# KiCad board q2.kicad_pcb (continued)
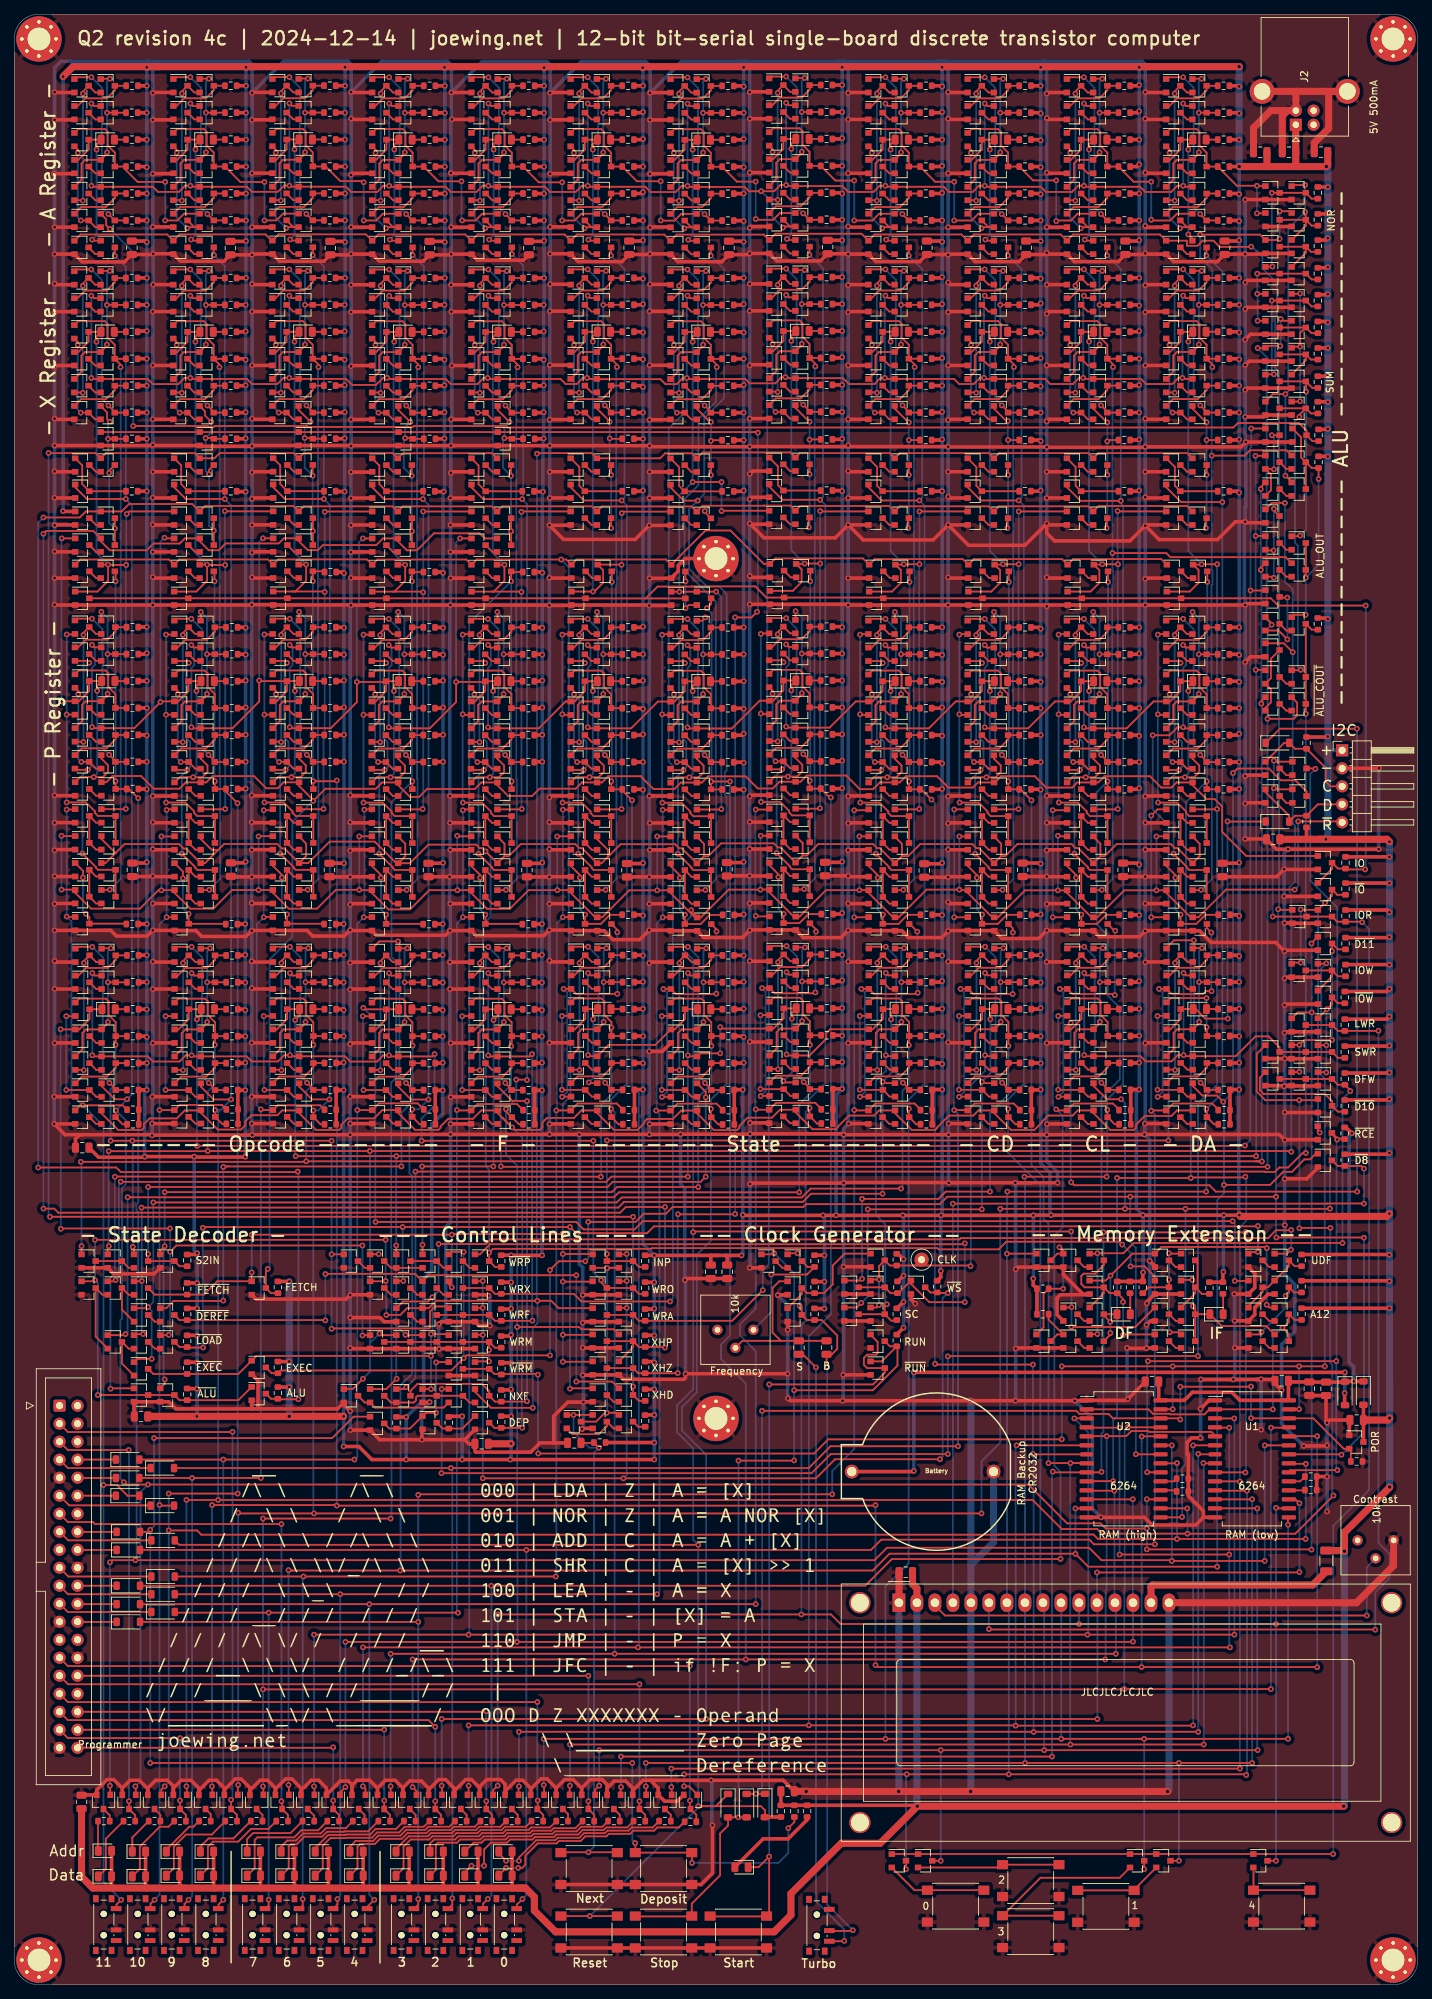
[diagram p0: board, top side]
## Routing (per net, layer and track width the routed paths; a pad name or vN(x,y) marks a point on that pad's centre or on a via; arc(x,y) is an arc through that point)
GND: length 5402.9
  Top w0.5: Q722.2 Q721.2 173.9,236.65 v1(173.65,236.4) ; Q730.2 Q729.2 174.4,232.85 v1(173.65,232.1) ; Q734.2 Q733.2 174.2,229.05 v1(173.65,228.5) ; Q726.2 Q725.2 173.9,225.25 v1(173.65,225) ; Q736.2 Q735.2 176.24,221.19 v1(173.65,221.19) ; Q724.2 Q723.2 173.95,240.45 v1(173.65,240.15) ; Q732.2 Q731.2 176.4,244.15 v1(173.65,244.15) 170.8,244.15 C9.2 169.74,243.09 163.56,243.09 Q559.2 159.65,244.15 v1(159.55,244.25) 159.4,244.1 C8.2 155.74,243.09 149.56,243.09 Q491.2 145.85,244.15 v1(145.65,244.35) 145.4,244.1 C17.2 141.74,243.09 135.56,243.09 Q760.2 131.85,244.15 v1(131.75,244.05) 131.7,244.1 C7.2 ; Q728.2 Q727.2 ; Q720.2 Q719.2 v1(173.65,251.85) ; v1(80.2,89.9) 80.25,89.85 Q672.2 Q673.2 ; v1(80.2,93.4) 80.35,93.55 Q713.2 Q714.2 ; v1(80.2,97.3) 80.25,97.35 Q715.2 Q716.2 ; v1(80.2,86) 81.55,86 Q684.2 Q685.2 85.93,85.42 94.49,85.42 94.7,85.63 v1(94.7,86.2) v1(109.1,86.2) ; Q696.2 Q695.2 Q694.2 Q693.2 Q692.2 47.5,89.75 v1(47.4,89.85) ; Q697.2 Q698.2 ; Q689.2 80.35,82.25 v1(80.3,82.2) 78.09,82.2 76.1,80.21 76.1,76.45 76.2,76.45 ; 22.6,125.3 Q140.2 22.6,125.3 v1(19.5,125.3) ; 36.47,125.31 36.49,125.28 ; 36.49,125.28 36.47,125.31 ; 36.49,125.28 36.48,125.3 v1(33.5,125.3) ; 50.44,167.69 Q249.2 ; 50.45,148.74 Q258.2 51.13,148.06 60.82,148.06 v1(61.48,148.72) 64.27,148.72 ; 50.45,125.29 Q280.2 ; Q280.2 50.45,125.29 ; Q280.2 50.46,125.28 ; Q280.2 50.44,125.3 ; 64.44,167.69 Q319.2 ; 64.45,148.74 Q328.2 65.19,148 74.7,148 v1(75.5,148.8) 78.45,148.8 Q928.2 ; 64.45,125.29 Q350.2 ; Q350.2 64.45,125.29 ; Q350.2 64.46,125.28 ; Q350.2 64.44,125.3 ; Q350.2 61.62,125.27 v1(61.57,125.22) ; 64.27,132.87 v1(61.57,132.87) ; 64.27,140.47 v1(61.47,140.47) ; 64.27,144.27 v1(61.47,144.27) ; 64.27,152.52 v1(61.52,152.52) ; 64.27,156.32 v1(61.42,156.32) 58.44,156.32 C33.2 ; 64.27,160.12 v1(61.52,160.12) ; 64.27,163.92 v1(61.48,163.92) ; 64.27,167.72 v1(61.48,167.72) ; 50.31,209.74 47.54,209.74 v1(47.5,209.7) ; v1(47.52,220.82) 47.53,220.83 50.19,220.83 ; 64.46,244.19 Q284.2 65.35,243.3 71.85,243.3 C5.2 ; v1(47.52,235.98) 47.57,236.03 50.19,236.03 ; v1(47.52,239.82) 47.53,239.83 50.19,239.83 ; v1(47.52,263.28) 47.65,263.15 50.2,263.15 ; 50.31,205.94 47.54,205.94 v1(47.5,205.9) ; 64.48,239.84 Q310.2 ; v1(47.5,213.4) 50.26,213.4 ; 50.2,266.95 47.57,266.95 v1(47.52,267) ; v1(47.5,198.5) 47.56,198.44 50.31,198.44 ; 50.31,194.64 47.54,194.64 v1(47.5,194.6) 47.44,194.66 Q165.2 36.49,194.7 ; 50.19,228.43 47.63,228.43 v1(47.52,228.32) ; 53.91,217.14 47.58,217.14 v1(47.52,217.08) 47.44,217.16 Q157.2 ; 64.44,255.49 Q287.2 64.45,255.6 ; v1(47.52,255.32) 47.75,255.55 50.2,255.55 ; 64.48,236.04 Q314.2 ; v1(47.52,247.98) 47.55,247.95 50.2,247.95 ; 50.2,244.15 47.55,244.15 v1(47.52,244.18) 47.39,244.05 C3.2 43.7,243.15 37.44,243.15 Q144.2 36.38,244.21 ; v1(47.5,202.1) 47.54,202.14 50.31,202.14 ; 64.46,247.99 Q295.2 ; 50.46,213.4 Q234.2 ; 64.44,263.09 Q292.2 64.43,263.08 ; 64.48,228.44 Q309.2 ; 64.29,239.83 v1(61.63,239.83) ; 64.31,205.94 v1(61.54,205.94) ; 64.48,220.84 Q317.2 ; 64.31,209.74 v1(61.54,209.74) ; 64.3,244.15 v1(61.65,244.15) 61.55,244.05 C4.2 57.7,243.15 51.5,243.15 Q214.2 50.46,244.19 ; 64.47,194.68 Q305.2 75.46,194.64 v1(75.5,194.6) 78.55,194.6 Q946.2 89.51,194.65 v1(89.58,194.58) 92.63,194.58 Q878.2 ; 64.3,255.55 61.85,255.55 ; 64.29,236.03 v1(61.67,236.03) ; 64.31,202.14 v1(61.54,202.14) ; 64.3,263.15 v1(61.75,263.15) ; 64.29,220.83 v1(61.63,220.83) ; 64.31,198.44 v1(61.56,198.44) ; 64.3,247.95 v1(61.65,247.95) ; 64.3,266.95 v1(61.67,266.95) ; 64.29,228.43 v1(61.73,228.43) ; 64.31,194.64 v1(61.54,194.64) Q235.2 50.47,194.68 ; 50.43,263.08 Q222.2 50.44,263.09 ; 50.48,220.84 Q247.2 ; 50.48,228.44 Q239.2 ; 50.48,236.04 Q244.2 ; 50.48,239.84 Q240.2 ; 50.46,247.99 Q225.2 ; 50.44,255.49 Q217.2 ; 36.37,263.11 Q152.2 36.36,263.1 ; 36.38,248.01 Q155.2 ; 36.37,255.51 Q147.2 ; 36.4,239.86 Q170.2 ; 36.4,228.46 Q169.2 ; 36.4,236.06 Q174.2 ; 36.4,220.86 Q177.2 ; 78.44,263.09 Q914.2 ; Q914.2 78.43,263.08 ; Q914.2 78.45,263.1 v1(75.6,263.1) ; 78.44,255.49 Q909.2 78.45,255.5 v1(75.6,255.5) ; 78.46,247.99 Q917.2 78.45,248 v1(75.6,248) ; 78.46,244.19 Q906.2 ; Q906.2 79.56,243.09 85.74,243.09 C23.2 89.6,244.1 v1(89.68,244.18) 92.53,244.18 Q838.2 ; Q906.2 78.45,244.2 v1(75.6,244.2) ; 78.49,239.86 Q951.2 78.45,239.9 v1(75.6,239.9) ; 78.49,236.06 Q955.2 78.45,236.1 v1(75.55,236.1) ; 78.49,228.46 Q950.2 78.45,228.5 v1(75.55,228.5) ; 78.51,148.74 Q928.2 ; Q928.2 82.23,148.72 Q904.2 83.2,148.7 84.45,147.45 88.25,147.45 v1(89.58,148.78) 92.53,148.78 Q860.2 ; 92.52,263.07 Q846.2 ; Q846.2 92.51,263.06 ; Q846.2 92.53,263.08 v1(89.68,263.08) ; 92.52,255.47 Q841.2 92.53,255.48 89.68,255.48 v1(89.68,255.48) ; 92.54,247.97 Q849.2 92.53,247.98 89.68,247.98 ; 92.54,244.17 Q838.2 ; Q838.2 93.64,243.07 99.82,243.07 C22.2 103.58,244.08 v1(103.75,244.25) Q355.2 107.56,243.19 113.74,243.19 C6.2 ; Q842.2 89.73,266.93 89.73,266.93 v1(89.7,266.9) ; 92.57,239.84 Q883.2 92.53,239.88 v1(89.68,239.88) ; 92.57,236.04 Q887.2 92.53,236.08 v1(89.63,236.08) ; 92.57,228.44 Q882.2 92.53,228.48 v1(89.63,228.48) ; Q890.2 92.53,220.78 v1(89.63,220.78) ; Q877.2 v1(89.63,213.43) ; Q876.2 92.53,205.88 v1(89.58,205.88) 87.6,203.9 77.5,203.9 v1(75.5,205.9) 78.45,205.9 Q944.2 ; Q879.2 v1(89.63,209.73) ; Q875.2 v1(89.63,198.43) ; Q875.2 93.16,198.91 ; Q875.2 93.67,199.42 93.67,200.22 94.65,201.2 H6.1 ; 92.59,148.72 Q860.2 ; Q860.2 96.31,148.7 Q836.2 97.26,147.75 102.75,147.75 v1(103.75,148.75) 103.82,148.82 Q377.2 ; Q856.2 89.6,152.5 ; Q857.2 v1(89.6,156.3) 86.46,156.3 C41.2 ; Q858.2 v1(89.66,160.1) ; Q859.2 v1(89.66,163.9) ; v1(89.63,121.43) Q835.2 ; 106.51,148.84 Q377.2 ; Q377.2 106.45,148.9 ; Q377.2 110.23,148.82 Q353.2 111.33,147.72 116.62,147.72 v1(117.65,148.75) 117.68,148.72 Q445.2 ; C6.2 117.6,244.2 v1(117.65,244.15) Q423.2 121.56,243.09 127.74,243.09 C7.2 ; C6.2 114.8,244.15 ; 120.51,148.74 Q445.2 ; Q445.2 120.45,148.8 ; Q445.2 124.23,148.72 Q421.2 125.2,148.7 126.18,147.72 130.82,147.72 v1(131.75,148.65) 131.82,148.72 Q782.2 ; C7.2 128.8,244.05 ; 134.51,148.74 Q782.2 ; Q782.2 134.45,148.8 ; Q782.2 138.23,148.72 Q758.2 139.35,147.6 144.5,147.6 v1(145.65,148.75) 145.68,148.72 Q513.2 ; 148.49,228.46 Q535.2 v1(145.65,228.45) ; 148.49,220.86 Q543.2 145.95,220.85 v1(145.65,220.55) ; 148.51,148.74 Q513.2 ; Q513.2 148.45,148.8 ; Q513.2 152.23,148.72 Q489.2 153.1,147.85 158.75,147.85 v1(159.55,148.65) 159.62,148.72 Q581.2 ; 162.49,239.86 Q604.2 ; Q604.2 162.45,239.9 ; Q604.2 159.65,239.85 v1(159.55,239.75) ; 162.49,236.06 Q608.2 ; Q608.2 162.45,236.1 ; Q608.2 159.65,236.05 v1(159.55,235.95) ; 162.49,228.46 Q603.2 ; Q603.2 162.45,228.5 ; Q603.2 v1(159.55,228.45) ; 162.49,220.86 Q611.2 159.65,220.85 v1(159.55,220.95) ; 162.51,148.74 Q581.2 ; Q581.2 162.45,148.8 ; Q581.2 166.23,148.72 Q557.2 167.2,148.7 168.85,147.05 177.95,147.05 v1(179.2,145.8) 179.35,145.95 Q641.2 ; Q78.2 19.61,266.96 v1(19.55,266.9) ; Q644.2 176.51,130.66 v1(179.22,130.66) 180.19,130.66 Q645.2 Q646.2 ; Q100.2 22.43,239.85 v1(19.6,239.85) ; v1(185.2,79.3) 185.57,79.67 C15.1 188.32,79.57 U3.1 ; v1(185.2,79.3) 185.05,79.45 C44.1 182.71,83.13 C14.1 ; v1(185.2,79.3) 185.15,79.35 ; v1(145.68,121.42) 145.7,121.45 Q488.2 ; v1(89.58,144.12) 89.74,144.28 Q894.2 ; 89.75,28.85 v1(98.3,28.85) 108.5,28.85 C21.1 ; 89.75,28.85 90.85,27.75 Q981.2 91.75,25.9 93.55,25.9 Q993.2 ; 89.75,28.85 88.69,28.85 87.25,27.41 Q992.2 87.25,27.75 86.25,28.75 84.65,28.75 83.65,27.75 Q980.2 83.65,28.23 82.93,28.95 81.25,28.95 80.05,27.75 ; 50.27,132.87 47.57,132.87 v1(47.4,132.7) ; v1(5.7,240) 5.86,239.84 Q30.2 ; Q179.2 33.56,167.74 v1(33.5,167.8) ; 179.16,126.84 179.17,126.85 Q651.2 ; v1(173.65,161.65) 176.6,161.65 C29.1 178.05,160.2 v1(179.7,160.2) 192.47,160.2 v1(192.48,160.2) ; v1(5.7,228.3) 5.84,228.44 Q29.2 ; v1(173.65,170.5) 173.8,170.65 Q833.2 ; Q114.2 19.57,152.53 v1(19.55,152.55) ; Q394.2 104.15,213.55 v1(103.75,213.15) ; v1(159.55,267) 159.6,266.95 Q563.2 ; v1(127.1,96.1) 126.5,96.7 Q674.2 ; v1(181.9,76.02) 185.12,76.02 v1(185.2,76.1) ; Q532.2 v1(145.65,209.75) ; Q627.2 120.85,101.25 120.8,101.3 v1(117,101.3) ; v1(192.52,171.62) 187.34,171.62 J3.2 ; Q705.2 52.19,93.55 51.62,94.12 v1(47.4,94.12) ; Q461.2 v1(117.65,205.95) ; v1(117.65,205.95) 115.83,204.12 105.77,204.12 v1(103.75,206.15) 103.85,206.05 Q393.2 ; v1(117.65,205.95) 119.77,203.82 129.62,203.82 v1(131.75,205.95) ; 51.25,27.75 50.15,28.85 48.35,28.85 47.65,28.15 Q978.2 47.65,28.23 47.13,28.75 46,28.75 Q986.2 44.05,27.75 42.95,28.85 41.89,28.85 40.45,27.41 Q977.2 40.45,27.75 39.15,29.05 38.29,29.05 36.85,27.61 Q985.2 36.85,27.75 35.75,28.85 34.69,28.85 33.25,27.41 Q973.2 33.25,27.81 32.01,29.05 31.19,29.05 29.65,27.51 Q984.2 29.65,27.75 28.55,28.85 27.49,28.85 26.05,27.41 Q972.2 26.05,27.75 24.95,28.85 23.55,28.85 22.45,27.75 Q983.2 22.45,28.03 21.63,28.85 19.95,28.85 18.85,27.75 Q971.2 18.85,27.65 17.65,28.85 16.35,28.85 15.25,27.75 ; 51.25,27.75 52.35,28.85 53.75,28.85 54.85,27.75 Q974.2 54.85,27.81 55.79,28.75 57.45,28.75 58.45,27.75 Q988.2 58.45,27.51 59.89,28.95 60.85,28.95 62.05,27.75 Q975.2 62.05,27.31 63.69,28.95 64.51,28.95 65.65,27.81 Q989.2 65.65,27.95 66.65,28.95 68.61,28.95 69.25,28.31 Q976.2 69.25,27.31 70.79,28.85 71.75,28.85 72.85,27.75 Q990.2 72.85,27.61 74.29,29.05 75.15,29.05 76.45,27.75 ; 51.25,27.75 Q987.2 ; v1(172.18,89.87) 172.2,89.85 Q1009.2 ; v1(117.65,160.05) 117.72,160.12 Q443.2 ; 62.16,217.14 61.68,217.14 ; 62.16,217.14 Q227.2 ; 62.16,217.14 68.01,217.14 ; v1(5.7,205.9) 5.75,205.95 Q23.2 ; v1(179.16,126.75) 179.26,126.85 Q651.2 ; v1(33.55,247.95) 33.57,247.97 36.32,247.97 ; v1(5.7,217.15) Q17.2 19.45,217.15 v1(19.55,217.25) 19.65,217.15 Q87.2 26.26,217.05 v1(33.55,217.05) 33.66,217.16 40.03,217.16 ; v1(167.35,81.25) 168.56,82.45 169.39,82.45 ; Q420.2 120.45,121.5 v1(117.7,121.5) ; Q207.2 33.61,140.48 v1(33.5,140.6) ; 36.31,239.85 33.65,239.85 v1(33.55,239.95) ; Q22.2 5.75,202.15 v1(5.7,202.2) ; C24.1 C26.1 94.82,99.64 v1(94.6,99.42) ; Q373.2 103.82,152.62 v1(103.75,152.55) ; Q479.2 117.7,144.3 v1(117.65,144.35) ; v1(75.5,167.5) 75.72,167.72 Q919.2 ; v1(19.55,255.5) 22.4,255.5 Q77.2 ; v1(66.9,97.22) 66.77,97.35 Q691.2 ; v1(159.55,156.34) 159.57,156.32 Q578.2 ; 15.25,27.75 14.05,28.95 13.09,28.95 11.65,27.51 Q970.2 9.55,26.8 C18.1 ; 15.25,27.75 Q982.2 ; Q671.2 19.75,100.3 14.05,100.3 Q670.2 Q669.2 ; Q472.2 117.75,236.05 v1(117.65,235.95) ; v1(19.55,248) 22.41,248 Q85.2 ; Q637.2 179.18,157.35 v1(179.15,157.37) 178.1,156.32 C38.2 ; Q757.2 134.45,121.5 v1(131.8,121.5) ; v1(47.4,140.4) 47.47,140.47 50.27,140.47 ; 36.32,244.17 33.67,244.17 v1(33.55,244.05) C2.2 29.6,243.15 23.46,243.15 Q74.2 22.41,244.2 v1(19.6,244.2) 19.5,244.1 C1.2 15.55,243.05 9.6,243.05 Q4.2 v1(5.7,244.15) ; 34.44,81.25 34.4,81.29 34.4,85.25 Q664.2 ; 34.44,81.25 45.6,81.25 Q686.2 46.5,81.82 v1(47.4,80.92) ; 34.44,81.25 33.52,81.25 ; 80.05,27.75 78.85,28.95 77.65,28.95 76.45,27.75 ; 80.05,27.75 Q991.2 ; Q763.2 v1(131.75,255.55) ; 143.45,113.15 132.98,113.15 ; 143.45,113.15 v1(147.18,113.15) ; 143.45,113.15 141.77,113.15 ; 132.98,113.15 131.85,113.15 v1(131.82,113.12) ; 132.98,113.15 132.95,113.18 117.08,113.18 v1(117,113.1) 103.92,113.1 v1(103.8,112.97) ; 76.2,76.45 74.17,76.45 72.86,75.14 65.13,75.14 64.99,75.28 C43.2 64.13,76.32 63.55,76.9 ; 76.2,76.45 C16.1 ; v1(33.5,160.1) 33.54,160.14 Q186.2 ; v1(159.55,263.25) 159.65,263.15 Q567.2 ; Q8.2 5.75,266.95 v1(5.7,267) ; Q1016.2 147.1,94.55 147.1,96.88 147.57,97.35 151.6,97.35 Q1012.2 150.75,97.45 148,100.2 Q1015.2 Q1017.2 141.6,101.25 v1(141.27,100.92) ; v1(159.55,205.85) 161.52,203.87 169.74,203.87 172.27,206.4 v1(173.65,206.4) 173.8,206.25 Q755.2 ; v1(159.55,205.85) 157.4,203.7 146.75,203.7 145.65,204.8 v1(145.65,206.15) ; v1(159.55,205.85) 159.65,205.95 Q597.2 ; Q815.2 131.8,132.9 v1(131.75,132.95) ; v1(33.5,132.9) 33.52,132.88 Q202.2 ; v1(109.15,82.72) 109.48,82.4 v1(116.85,82.4) v1(134.9,82.4) v1(141.25,82.4) v1(149.6,82.4) 151.37,82.4 151.42,82.45 156.9,82.45 v1(157.06,82.61) C12.1 ; Q375.2 103.78,160.22 v1(103.75,160.25) ; v1(131.75,240.15) 132.05,239.85 Q805.2 ; Q495.2 145.8,266.95 v1(145.65,266.8) ; Q187.2 33.56,163.94 v1(33.5,164) ; 50.27,160.12 47.52,160.12 v1(47.4,160) ; Q797.2 131.85,198.45 v1(131.75,198.55) ; v1(175.89,85.42) 175.87,85.4 175.22,85.4 ; Q945.2 75.55,213.45 v1(75.55,213.45) ; v1(179.22,119.19) 178.45,119.96 v1(159.44,119.96) 159.41,119.93 v1(145.66,119.93) 145.65,119.92 v1(131.8,119.92) 131.79,119.93 v1(117,119.93) 116.88,120.05 v1(103.8,120.05) 103.74,119.99 v1(94,119.99) 93.97,119.96 v1(89.6,119.96) 89.59,119.97 v1(79.72,119.97) 79.72,119.97 v1(75.51,119.97) v1(61.55,119.97) 47.45,119.97 v1(47.4,119.92) 47.39,119.93 33.66,119.93 v1(33.6,119.87) 19.5,119.87 v1(19.45,119.82) 19.34,119.93 9.68,119.93 ; v1(179.22,119.19) 179.25,119.22 ; v1(179.22,119.19) 179.25,119.23 Q636.2 ; 177.83,97.42 176.88,97.42 175,95.55 175,94.55 Q1000.2 174.07,93.67 v1(172.15,93.67) ; v1(19.55,220.85) 22.43,220.85 Q107.2 ; v1(159.55,248.15) 159.75,247.95 Q570.2 ; Q623.2 v1(109.1,92.4) ; v1(5.7,209.8) 5.75,209.75 Q26.2 ; Q752.2 173.85,194.85 v1(173.65,194.65) Q599.2 v1(159.55,194.65) Q531.2 145.85,194.65 v1(145.65,194.45) 145.45,194.65 Q800.2 v1(131.75,194.65) Q463.2 v1(117.65,194.65) 117.55,194.75 Q395.2 v1(103.75,194.75) ; Q651.2 180.25,126.8 183.9,126.8 Q652.2 ; Q651.2 179.55,126.85 ; Q651.2 Q650.2 ; 50.27,148.72 47.48,148.72 v1(47.4,148.8) 46.55,147.95 42.1,147.95 41.31,148.74 Q188.2 33.54,148.74 v1(33.5,148.7) 32.7,147.9 26.45,147.9 25.62,148.73 Q118.2 22.6,148.75 v1(19.55,148.75) 18.75,147.95 14.42,147.95 13.62,148.75 Q48.2 v1(5.7,148.75) ; Q15.2 v1(5.7,247.95) ; 169.39,65.94 167.75,65.94 ; 167.75,65.94 167.75,66.85 165.62,68.97 R283.1 R285.1 165.62,74.77 165.45,74.95 165.45,76.51 166.09,77.15 v1(167.35,77.15) ; 167.75,65.94 166.66,64.86 160.51,64.86 159.42,65.95 v1(153.3,65.95) 153.3,65.94 151.42,65.94 ; v1(141.27,89.75) 141.38,89.85 Q1018.2 Q1014.2 ; Q399.2 103.85,228.55 v1(103.75,228.45) ; v1(145.65,255.65) 145.75,255.55 Q494.2 ; Q632.2 Q631.2 ; Q598.2 v1(159.55,213.45) ; Q927.2 75.58,163.92 v1(75.5,164) ; Q1001.2 Q1003.2 159.77,96.32 v1(159.77,96.12) ; Q359.2 103.8,267.05 v1(103.75,267) ; Q460.2 v1(117.65,198.45) ; RV3.3 194.7,62.7 ; v1(145.65,206.15) 145.85,205.95 Q529.2 ; v1(145.65,206.15) 142.57,203.07 134.62,203.07 v1(131.75,205.95) ; Q630.2 Q629.2 ; Q687.2 80.2,78.5 v1(80.1,78.4) ; v1(5.7,140.5) 5.72,140.48 Q67.2 ; v1(159.55,152.55) 159.58,152.52 Q577.2 ; v1(57.5,76.9) 63.55,76.9 ; v1(57.5,76.9) 57.5,78.25 Q707.2 ; v1(57.5,76.9) 51.55,76.9 Q706.2 v1(47.42,78.25) ; 63.55,76.9 Q708.2 ; 50.27,156.32 47.42,156.32 v1(47.4,156.3) 44.49,156.3 C32.2 ; Q504.2 145.68,167.72 v1(145.65,167.75) ; Q104.2 22.43,236.05 v1(19.55,236.05) ; v1(33.55,220.95) 33.65,220.85 36.31,220.85 ; v1(5.7,194.7) 5.75,194.65 Q25.2 v1(19.55,194.65) Q95.2 33.45,194.65 v1(33.5,194.7) 36.39,194.7 ; Q376.2 103.78,164.02 v1(103.75,164.05) ; v1(19.55,140.45) 19.58,140.47 Q137.2 ; v1(131.75,220.75) 131.85,220.85 Q812.2 ; Q540.2 145.95,236.05 v1(145.65,235.75) ; Q109.2 22.59,167.7 v1(19.55,167.7) ; v1(131.75,205.95) Q798.2 ; Q184.2 33.56,152.54 v1(33.5,152.6) ; v1(117.65,167.65) 117.72,167.72 Q436.2 ; v1(5.7,263.1) 8.45,263.1 Q12.2 ; v1(47.4,144.2) 47.47,144.27 50.27,144.27 ; Q580.2 159.58,163.92 v1(159.55,163.95) ; 175.22,85.4 v1(171.97,85.4) v1(167.4,85.4) ; 175.22,85.4 177.65,85.4 C13.1 177.85,84.8 v1(178.77,83.87) ; 90.1,167.7 89.8,167.7 ; 90.1,167.7 89.6,167.7 v1(89.6,167.7) ; 90.1,167.7 Q851.2 ; 108.05,97.35 Q624.2 107.75,97.35 v1(107.7,97.3) ; Q511.2 145.72,160.12 v1(145.65,160.05) ; 36.43,202.16 33.66,202.16 v1(33.55,202.05) ; Q633.2 120.8,89.95 ; v1(47.4,152.4) 47.52,152.52 50.27,152.52 ; Q21.2 v1(5.7,198.45) ; Q82.2 22.4,263.1 v1(19.55,263.1) ; Q400.2 v1(103.75,239.95) ; v1(59.9,93.2) 60.25,93.55 Q702.2 Q703.2 65.55,93 v1(67.1,93) ; 50.27,167.72 47.48,167.72 v1(47.4,167.8) ; Q392.2 103.95,198.55 v1(103.75,198.75) ; v1(75.5,152.5) 75.52,152.52 Q924.2 ; v1(117.65,163.85) 117.72,163.92 Q444.2 ; C42.2 16.9,80.23 Q667.2 Q666.2 21.82,82.25 22.82,81.25 33.52,81.25 ; C31.2 30.65,156.3 v1(33.5,156.3) 33.54,156.34 Q185.2 ; v1(61.55,121.45) Q282.2 ; v1(131.75,267) 131.8,266.95 Q764.2 ; Q816.2 131.8,144.3 v1(131.75,144.35) ; Q768.2 131.85,263.15 v1(131.75,263.25) ; Q947.2 75.55,209.75 v1(75.55,209.75) ; 36.43,209.76 33.66,209.76 v1(33.55,209.65) ; Q133.2 19.62,144.27 v1(19.55,144.35) ; Q1005.2 160.9,101.4 v1(160.17,102.13) ; Q779.2 131.82,156.32 v1(131.75,156.25) C36.2 ; Q640.2 Q639.2 179.35,134.45 v1(179.2,134.3) ; Q352.2 106.45,121.6 v1(103.8,121.6) ; v1(159.55,255.65) 159.65,255.55 Q562.2 ; SW19.2 SW19.2 SW20.2 SW20.2 SW21.2 SW21.2 ; v1(131.75,163.85) 131.82,163.92 Q781.2 ; v1(145.65,163.95) 145.68,163.92 Q512.2 ; Q462.2 117.75,213.45 v1(117.65,213.55) ; v1(145.65,132.85) 145.7,132.9 Q546.2 ; 9.68,119.93 9.23,119.93 8.65,119.35 C20.1 ; 9.68,119.93 7.17,119.93 v1(5.65,121.45) Q2.2 ; v1(145.65,263.35) 145.85,263.15 Q499.2 ; v1(5.7,156.4) 5.75,156.35 Q45.2 ; Q478.2 117.7,132.9 v1(117.65,132.85) ; Q596.2 159.65,198.45 v1(159.55,198.35) ; v1(47.4,164) 47.48,163.92 50.27,163.92 ; Q34.2 5.84,236.04 v1(5.7,235.9) ; Q366.2 103.95,248.05 v1(103.75,247.85) ; v1(145.65,152.45) 145.72,152.52 Q509.2 ; v1(19.55,206) 19.6,205.95 Q93.2 ; v1(75.51,121.43) 75.53,121.45 Q903.2 ; v1(58.6,82.2) 58.55,82.15 Q679.2 ; v1(61.58,213.28) 61.74,213.44 Q304.2 ; C39.2 v1(145.65,156.35) 145.68,156.32 Q510.2 ; Q799.2 v1(131.75,213.45) ; Q648.2 Q647.2 179.35,142.15 v1(179.2,142) ; v1(89.58,131.68) 91.43,131.68 Q893.2 ; v1(145.65,198.55) 145.75,198.45 Q528.2 ; v1(5.7,220.95) 5.81,220.84 Q37.2 ; Q962.2 75.7,144.3 v1(75.5,144.5) ; v1(103.75,133.05) 103.8,133 Q410.2 ; 36.31,236.05 33.55,236.05 v1(33.55,236.05) ; Q39.2 5.75,167.75 v1(5.7,167.8) ; v1(19.55,213.45) Q94.2 ; Q656.2 34.13,96.72 46.82,96.72 v1(47.4,97.3) 47.45,97.35 Q704.2 ; Q926.2 75.58,160.12 v1(75.5,160.2) ; Q614.2 159.6,132.9 v1(159.55,132.85) ; Q91.2 19.7,198.45 v1(19.55,198.6) ; Q638.2 v1(179.15,153.55) ; Q979.2 76.45,27.75 ; Q999.2 175,100.35 175,98.35 Q995.2 v1(172.12,97.45) ; v1(33.5,121.5) Q142.2 ; v1(47.4,125.3) 50.24,125.3 ; v1(131.75,160.15) 131.78,160.12 Q780.2 ; Q572.2 159.62,167.72 v1(159.55,167.65) ; v1(5.65,125.3) 8.6,125.3 Q70.2 ; Q502.2 v1(145.65,247.95) ; v1(19.55,160.2) 19.62,160.13 Q116.2 ; Q771.2 v1(131.75,247.95) ; v1(179.2,149.8) 180.25,149.8 Q643.2 Q642.2 ; Q556.2 162.45,121.5 v1(159.5,121.5) ; Q63.2 5.87,144.28 v1(5.7,144.45) ; v1(19.55,228.45) 22.43,228.45 Q99.2 ; v1(33.55,228.45) 33.55,228.45 36.31,228.45 ; v1(75.6,266.9) 75.65,266.95 Q910.2 ; Q475.2 v1(117.65,220.85) ; v1(159.73,93.1) 160.27,93.65 Q1006.2 ; Q115.2 19.62,156.33 v1(19.55,156.4) 19.5,156.35 C30.2 ; v1(173.65,166.65) 173.75,166.75 Q831.2 ; v1(47.4,121.5) Q212.2 ; v1(33.55,263.1) 36.26,263.1 ; Q396.2 104.05,209.85 v1(103.75,209.55) ; v1(5.7,132.85) 5.73,132.88 Q62.2 ; Q7.2 8.45,255.5 v1(5.6,255.5) ; Q773.2 131.82,167.72 v1(131.75,167.65) ; Q431.2 v1(117.65,263.15) ; Q132.2 19.58,132.87 v1(19.55,132.85) ; 36.43,213.46 33.66,213.46 v1(33.55,213.35) ; Q368.2 103.92,167.82 v1(103.75,167.65) ; v1(33.55,198.55) 33.64,198.46 36.43,198.46 ; 36.32,255.57 33.57,255.57 v1(33.55,255.55) ; Q1004.2 159.77,89.85 v1(159.73,89.8) 157.02,89.8 v1(156.98,89.85) ; C34.2 v1(75.5,156.3) 75.52,156.32 Q925.2 ; Q668.2 33.5,81.27 33.52,81.25 ; Q434.2 117.75,247.95 v1(117.65,248.05) ; Q824.2 183.99,115.36 182.34,113.71 v1(179.22,113.71) ; Q801.2 131.95,209.75 v1(131.75,209.95) ; 36.49,144.28 33.61,144.28 v1(33.5,144.4) ; v1(33.55,205.95) 33.56,205.96 36.43,205.96 ; Q96.2 19.6,209.75 v1(19.55,209.8) ; v1(75.55,220.8) 78.45,220.8 Q958.2 ; Q24.2 5.75,213.45 v1(5.7,213.5) ; Q579.2 159.58,160.12 v1(159.55,160.15) ; v1(103.75,144.45) 103.8,144.4 Q411.2 ; Q426.2 v1(117.65,255.55) ; SW22.2 SW22.2 SW23.2 SW23.2 96.87,14.15 98.5,15.77 v1(98.5,22.5) ; R282.1 R284.1 v1(185.2,71.7) ; Q653.2 179.25,123.05 v1(179.22,123.08) ; Q778.2 131.98,152.52 v1(131.75,152.75) ; Q615.2 159.6,144.3 v1(159.55,144.25) ; v1(75.5,132.9) Q961.2 ; Q44.2 5.75,152.55 v1(5.7,152.5) ; C37.2 159.34,156.34 ; Q467.2 v1(117.65,228.45) ; Q363.2 v1(103.75,263.25) ; Q117.2 19.62,163.93 v1(19.55,164) ; v1(173.65,186.6) 174.4,187.35 Q753.2 ; 120.65,86.2 Q634.2 v1(116.95,86.05) ; 169.49,82.42 169.52,82.45 ; Q92.2 v1(19.55,202.15) ; C40.2 100.57,156.45 v1(103.75,156.45) 103.78,156.42 Q374.2 ; Q744.2 Q754.2 173.74,217.65 v1(173.73,217.64) 173.05,216.96 v1(159.55,216.96) 159.48,216.89 145.69,216.89 v1(145.65,216.93) 145.63,216.95 131.79,216.95 v1(131.75,216.99) 117.83,216.99 v1(117.65,217.17) 117.48,217 v1(103.75,217) 103.72,216.97 89.77,216.97 v1(89.63,217.11) 89.6,217.14 v1(75.55,217.14) 75.54,217.14 Q297.2 ; Q628.2 v1(103.75,101.15) ; v1(159.55,209.85) 159.65,209.75 Q600.2 ; Q441.2 117.68,152.52 v1(117.65,152.55) ; Q46.2 5.8,160.15 v1(5.7,160.05) ; Q404.2 v1(103.75,236.15) ; v1(131.75,235.95) 131.85,236.05 Q809.2 ; Q47.2 v1(5.7,163.95) ; v1(75.5,198.5) 75.55,198.45 Q943.2 ; v1(33.55,266.9) 33.62,266.97 36.32,266.97 ; Q804.2 v1(131.75,228.45) ; v1(117.65,266.9) 117.7,266.95 Q427.2 ; Q468.2 117.75,239.85 v1(117.65,239.75) ; Q530.2 v1(145.65,213.45) ; Q547.2 v1(145.65,144.3) ; Q407.2 v1(103.75,220.95) ; Q649.2 179.35,138.35 v1(179.2,138.2) ; v1(19.45,121.5) Q72.2 ; Q358.2 v1(103.75,255.65) ; Q536.2 v1(145.65,239.85) ; Q442.2 117.78,156.32 v1(117.65,156.45) C35.2 ; Q464.2 v1(117.65,209.75)
  Top w1: C21.1 111.7,27.3 v2(111.73,27.27) v2(124.77,27.27) 134.38,27.27 ; 185.14,267.11 185.42,266.83 185.42,261.88 183.39,259.85 C27.1 ; 185.14,267.11 J2.5 ; 185.14,267.11 180.96,267.11 ; 134.38,27.27 v2(162.7,27.27) ; 134.38,27.27 v2(134.93,27.27) 134.95,27.27 ; DS1.1 124.82,53.92 C28.2 ; J2.4 179.6,264.4 178.88,263.68 C25.2 ; J2.4 177.25,264.4 174.82,261.97 C19.1 ; J2.4 180.8,266.94 180.96,267.11 ; RV3.3 194.58,59.13 189.35,53.9 DS1.16 ; 180.96,267.11 J2.5
  Bottom w0.25: v1(103.8,121.6) 103.75,121.65 ; 89.58,171.28 89.6,171.3
  Bottom w0.5: v1(47.52,267) v1(47.52,263.28) v1(47.52,255.32) v1(47.52,247.98) v1(47.52,244.18) v1(47.52,239.82) v1(47.52,235.98) v1(47.52,228.32) v1(47.52,220.82) v1(47.52,217.08) 47.52,213.42 v1(47.5,213.4) v1(47.5,209.7) v1(47.5,205.9) v1(47.5,202.1) v1(47.5,198.5) v1(47.5,194.6) ; v1(47.52,267) 47.52,270.92 47.08,271.36 38.01,271.36 v1(33.55,266.9) ; v1(47.52,267) 51.87,271.35 61.11,271.35 61.67,270.79 v1(61.67,266.95) ; v1(61.67,266.95) 61.67,263.23 v1(61.75,263.15) 61.6,263 v1(61.6,255.6) 61.65,255.55 v1(61.65,247.95) v1(61.65,244.15) 61.65,239.85 v1(61.63,239.83) 61.63,236.07 v1(61.67,236.03) 61.67,228.49 v1(61.73,228.43) 61.73,220.93 v1(61.63,220.83) 61.63,217.17 v1(61.6,217.14) ; v1(61.67,266.95) 66.02,271.3 75.15,271.3 75.6,270.86 v1(75.6,266.9) ; 61.63,217.19 61.68,217.14 ; v1(61.54,194.64) 61.56,194.66 v1(61.56,198.44) 61.54,198.46 v1(61.54,202.14) v1(61.54,205.94) v1(61.54,209.74) 61.58,209.78 v1(61.58,213.28) 61.58,217.14 ; 116.35,271.35 117.21,271.35 117.65,270.91 v1(117.65,266.9) v1(117.65,263.15) v1(117.65,255.55) v1(117.65,248.05) v1(117.65,244.15) v1(117.65,239.75) v1(117.65,235.95) v1(117.65,228.45) v1(117.65,220.85) v1(117.65,217.17) v1(117.65,213.55) v1(117.65,209.75) v1(117.65,205.95) v1(117.65,198.45) v1(117.65,194.65) v1(117.65,167.65) v1(117.65,163.85) v1(117.65,160.05) v1(117.65,156.45) v1(117.65,152.55) v1(117.65,148.75) v1(117.65,144.35) v1(117.65,132.85) 117.65,121.55 v1(117.7,121.5) 117,120.8 v1(117,119.93) v1(117,113.1) v1(117,101.3) 117,86.1 v1(116.95,86.05) 116.95,82.5 v1(116.85,82.4) ; 116.35,271.35 102.15,271.35 ; 116.35,271.35 130.15,271.35 ; 18.79,271.35 6.59,271.35 5.7,270.46 v1(5.7,267) v1(5.7,263.1) 5.7,256.05 ; 18.79,271.35 19.11,271.35 19.55,270.91 v1(19.55,266.9) v1(19.55,263.1) v1(19.55,255.5) v1(19.55,248) 19.55,244.25 v1(19.6,244.2) v1(19.6,239.85) 19.6,236.1 v1(19.55,236.05) v1(19.55,228.45) v1(19.55,220.85) v1(19.55,217.25) v1(19.55,213.45) v1(19.55,209.8) v1(19.55,206) v1(19.55,202.15) v1(19.55,198.6) v1(19.55,194.65) v1(19.55,167.7) v1(19.55,164) v1(19.55,160.2) v1(19.55,156.4) v1(19.55,152.55) v1(19.55,148.75) v1(19.55,144.35) v1(19.55,140.45) v1(19.55,132.85) 19.55,125.35 v1(19.5,125.3) 19.5,121.55 v1(19.45,121.5) v1(19.45,119.82) ; 18.79,271.35 33.11,271.35 33.55,270.91 v1(33.55,266.9) ; 89.6,152.6 89.6,152.5 v1(89.6,152.5) ; 89.6,152.6 89.6,148.8 v1(89.58,148.78) 89.58,145.22 ; 89.6,152.6 v1(89.6,156.3) 89.66,156.36 v1(89.66,160.1) v1(89.66,163.9) 89.6,163.96 v1(89.6,167.7) 89.58,167.72 v1(89.58,194.58) 89.63,194.63 v1(89.63,198.43) 89.58,198.48 v1(89.58,205.88) 89.63,205.93 v1(89.63,209.73) v1(89.63,213.43) 89.63,213.43 v1(89.63,217.11) v1(89.63,220.78) v1(89.63,228.48) v1(89.63,236.08) 89.68,236.13 v1(89.68,239.88) v1(89.68,244.18) 89.68,244.18 89.68,247.98 ; v1(89.7,266.9) 94.15,271.35 102.15,271.35 ; v1(89.7,266.9) 89.7,270.67 89.06,271.3 80,271.3 v1(75.6,266.9) ; v1(89.7,266.9) 89.7,263.1 v1(89.68,263.08) v1(89.68,255.48) 89.68,247.98 ; v1(75.51,119.97) v1(75.51,121.43) 75.51,122.09 75.5,122.1 v1(75.5,132.9) v1(75.5,144.5) v1(75.5,148.8) v1(75.5,152.5) v1(75.5,156.3) v1(75.5,160.2) v1(75.5,164) v1(75.5,167.5) v1(75.5,194.6) v1(75.5,198.5) v1(75.5,205.9) 75.55,205.95 v1(75.55,209.75) v1(75.55,213.45) v1(75.55,217.14) v1(75.55,220.8) v1(75.55,228.5) v1(75.55,236.1) 75.6,236.15 v1(75.6,239.9) v1(75.6,244.2) v1(75.6,248) v1(75.6,255.5) 75.6,255.5 v1(75.6,263.1) v1(75.6,266.9) ; v1(141.25,82.4) 141.27,82.42 v1(141.27,89.75) v1(141.27,100.92) 141.25,100.95 141.25,113.12 v1(141.23,113.15) ; 61.44,194.64 61.44,167.76 v1(61.48,167.72) v1(61.48,163.92) 61.48,160.17 v1(61.52,160.12) 61.52,156.42 v1(61.42,156.32) 61.42,152.62 v1(61.52,152.52) 61.52,148.77 v1(61.48,148.72) 61.48,144.28 v1(61.47,144.27) v1(61.47,140.47) 61.47,132.97 v1(61.57,132.87) v1(61.57,125.22) 61.57,121.47 v1(61.55,121.45) v1(61.55,119.97) 61.55,107.57 60.87,106.9 60.87,94.17 v1(59.9,93.2) 59.9,89.75 v1(59.95,89.7) ; 130.15,271.35 131.31,271.35 131.75,270.91 v1(131.75,267) v1(131.75,263.25) v1(131.75,255.55) v1(131.75,247.95) v1(131.75,244.05) v1(131.75,240.15) v1(131.75,235.95) v1(131.75,228.45) v1(131.75,220.75) v1(131.75,216.99) v1(131.75,213.45) v1(131.75,209.95) v1(131.75,205.95) v1(131.75,198.55) v1(131.75,194.65) v1(131.75,167.65) v1(131.75,163.85) v1(131.75,160.15) v1(131.75,156.25) v1(131.75,152.75) v1(131.75,148.65) v1(131.75,144.35) v1(131.75,132.95) 131.75,121.55 v1(131.8,121.5) v1(131.8,119.92) 131.8,113.15 v1(131.82,113.12) ; 130.15,271.35 145.15,271.35 ; v1(89.6,119.96) 89.58,119.98 89.58,122.02 ; v1(107.7,97.3) 109.1,95.9 v1(109.1,92.4) v1(109.1,86.2) 109.1,82.77 v1(109.15,82.72) ; v1(89.63,121.43) 89.58,121.48 89.58,122.02 ; 89.58,145.22 v1(89.58,144.12) v1(89.58,131.68) 89.58,122.02 ; 89.58,145.22 89.58,144.48 ; v1(167.4,85.4) 167.35,85.35 v1(167.35,81.25) v1(167.35,77.15) ; v1(66.9,97.22) 67.1,97.02 v1(67.1,93) ; v1(33.55,266.9) v1(33.55,263.1) v1(33.55,255.55) v1(33.55,247.95) v1(33.55,244.05) v1(33.55,239.95) v1(33.55,236.05) v1(33.55,228.45) v1(33.55,220.95) v1(33.55,217.05) v1(33.55,213.35) v1(33.55,209.65) v1(33.55,205.95) v1(33.55,202.05) v1(33.55,198.55) 33.55,194.75 v1(33.5,194.7) v1(33.5,167.8) v1(33.5,164) v1(33.5,160.1) v1(33.5,156.3) v1(33.5,152.6) v1(33.5,148.7) v1(33.5,144.4) v1(33.5,140.6) v1(33.5,132.9) v1(33.5,125.3) v1(33.5,121.5) 33.6,121.4 v1(33.6,119.87) ; 179.22,126.52 179.16,126.58 v1(179.16,126.75) ; 179.22,126.52 v1(179.22,130.66) 179.2,130.68 v1(179.2,134.3) v1(179.2,138.2) v1(179.2,142) v1(179.2,145.8) v1(179.2,149.8) 179.15,149.85 v1(179.15,153.55) v1(179.15,157.37) 179.15,159.65 v1(179.7,160.2) ; 179.22,126.52 v1(179.22,123.08) v1(179.22,119.19) v1(179.22,113.71) 179.22,111.12 179.2,111.1 179.2,107.2 v1(179.23,107.17) 179.23,100.21 180.65,98.79 180.65,92.19 178.77,90.32 v1(178.77,83.87) 178.77,79.15 v1(181.9,76.02) ; v1(173.65,161.65) v1(173.65,166.65) v1(173.65,170.5) v1(173.65,186.6) v1(173.65,194.65) 173.65,195.65 173.55,195.75 173.55,206.3 v1(173.65,206.4) 173.65,208.43 173.73,208.52 v1(173.73,217.64) 173.65,217.72 v1(173.65,221.19) v1(173.65,228.5) v1(173.65,232.1) v1(173.65,236.4) v1(173.65,240.15) v1(173.65,244.15) v1(173.65,251.85) ; 145.15,271.35 145.21,271.35 145.65,270.91 v1(145.65,266.8) v1(145.65,263.35) v1(145.65,255.65) v1(145.65,247.95) v1(145.65,244.35) v1(145.65,239.85) v1(145.65,235.75) v1(145.65,228.45) v1(145.65,220.55) v1(145.65,216.93) v1(145.65,213.45) v1(145.65,209.75) v1(145.65,206.15) v1(145.65,198.55) v1(145.65,194.45) v1(145.65,167.75) v1(145.65,163.95) v1(145.65,160.05) v1(145.65,156.35) v1(145.65,152.45) v1(145.65,148.75) v1(145.65,132.85) 145.65,121.45 ; 145.15,271.35 159.11,271.35 159.55,270.91 v1(159.55,267) v1(159.55,263.25) v1(159.55,255.65) v1(159.55,248.15) v1(159.55,244.25) v1(159.55,239.75) v1(159.55,235.95) v1(159.55,228.45) v1(159.55,220.95) v1(159.55,216.96) v1(159.55,213.45) v1(159.55,209.85) v1(159.55,205.85) v1(159.55,198.35) v1(159.55,194.65) v1(159.55,167.65) v1(159.55,163.95) v1(159.55,160.15) v1(159.55,152.55) v1(159.55,148.65) v1(159.55,144.25) v1(159.55,132.85) 159.55,121.55 v1(159.5,121.5) 159.5,120.02 v1(159.44,119.96) 160.17,119.23 v1(160.17,102.13) 160.17,96.52 v1(159.77,96.12) 159.73,96.07 v1(159.73,93.1) v1(159.73,89.8) ; 47.4,194.6 v1(47.4,167.8) v1(47.4,164) v1(47.4,160) v1(47.4,156.3) v1(47.4,152.4) v1(47.4,148.8) v1(47.4,144.2) v1(47.4,140.4) v1(47.4,132.7) v1(47.4,125.3) v1(47.4,121.5) v1(47.4,119.92) v1(47.4,97.3) v1(47.4,94.12) v1(47.4,89.85) v1(47.4,80.92) 47.4,78.27 v1(47.42,78.25) ; v1(171.97,85.4) 172.18,85.6 v1(172.18,89.87) 172.18,93.65 v1(172.15,93.67) 172.15,97.42 v1(172.12,97.45) ; v1(57.5,76.9) 57.5,81.1 v1(58.6,82.2) ; 102.15,271.35 103.31,271.35 103.75,270.91 v1(103.75,267) v1(103.75,263.25) v1(103.75,255.65) v1(103.75,247.85) v1(103.75,244.25) v1(103.75,239.95) v1(103.75,236.15) v1(103.75,228.45) v1(103.75,220.95) v1(103.75,217) v1(103.75,213.15) v1(103.75,209.55) v1(103.75,206.15) v1(103.75,198.75) v1(103.75,194.75) v1(103.75,167.65) v1(103.75,164.05) v1(103.75,160.25) v1(103.75,156.45) v1(103.75,152.55) v1(103.75,148.75) v1(103.75,144.45) v1(103.75,133.05) 103.75,121.65 ; 89.68,247.98 89.68,247.92 v1(89.7,247.9) ; v1(94.7,86.2) 94.7,99.32 v1(94.6,99.42) 94.6,112.35 94,112.95 v1(94,119.99) ; 5.7,256.05 v1(5.7,247.95) v1(5.7,244.15) v1(5.7,240) v1(5.7,235.9) v1(5.7,228.3) v1(5.7,220.95) v1(5.7,217.15) v1(5.7,213.5) v1(5.7,209.8) v1(5.7,205.9) v1(5.7,202.2) v1(5.7,198.45) v1(5.7,194.7) v1(5.7,167.8) v1(5.7,163.95) v1(5.7,160.05) v1(5.7,156.4) v1(5.7,152.5) v1(5.7,148.75) v1(5.7,144.45) v1(5.7,140.5) v1(5.7,132.85) 5.7,125.35 v1(5.65,125.3) v1(5.65,121.45) ; 5.7,256.05 5.7,255.6 v1(5.6,255.5) ; v1(185.2,66.77) v1(185.2,71.7) v1(185.2,76.1) v1(185.2,79.3) ; v1(153.3,65.95) 152.09,67.16 152.09,79.91 v1(149.6,82.4) ; v1(192.52,171.62) 192.48,171.57 v1(192.48,160.2) ; v1(79.72,119.97) 79.72,101.67 80.2,101.19 v1(80.2,97.3) v1(80.2,93.4) v1(80.2,89.9) v1(80.2,86) 80.3,85.9 v1(80.3,82.2) 80.3,78.6 v1(80.1,78.4) ; v1(156.98,89.85) 156.98,82.7 v1(157.06,82.61) ; v1(175.89,85.42) 175.89,78.33 v1(175.9,78.32) ; 98.52,22.5 v1(98.5,22.5) 98.42,22.57 98.42,28.72 v1(98.3,28.85) ; v1(147.18,113.15) 147.18,114.64 145.66,116.16 v1(145.66,119.93) 145.66,121.41 v1(145.68,121.42) ; v1(103.8,121.6) v1(103.8,120.05) v1(103.8,112.97) 103.8,101.2 v1(103.75,101.15)
  Bottom w1: 134.95,27.27 134.96,27.28 DS1.5 134.96,59.26 ; v2(162.7,27.27) 162.9,27.47 DS1.16 ; 134.96,59.26 138.15,62.45 BT1.2 ; 134.96,59.26 134.96,82.34 v1(134.9,82.4) ; v2(124.77,27.27) 124.8,27.3 DS1.1
